# Altium PCB Electronic Load 20251111.PcbDoc (part 4 of 6)
Units mm, origin at the board's own origin, x right, y up, seen from the top; angles counter-clockwise.
Board outline 206 x 70 mm, 6 copper layers (L1, L2, L3, L4, L5, L6), stack 1.609 mm thick; 684 components, 355 nets, 1727 pads, 802 vias.
Unrouted connection lines stored in the file: 10.
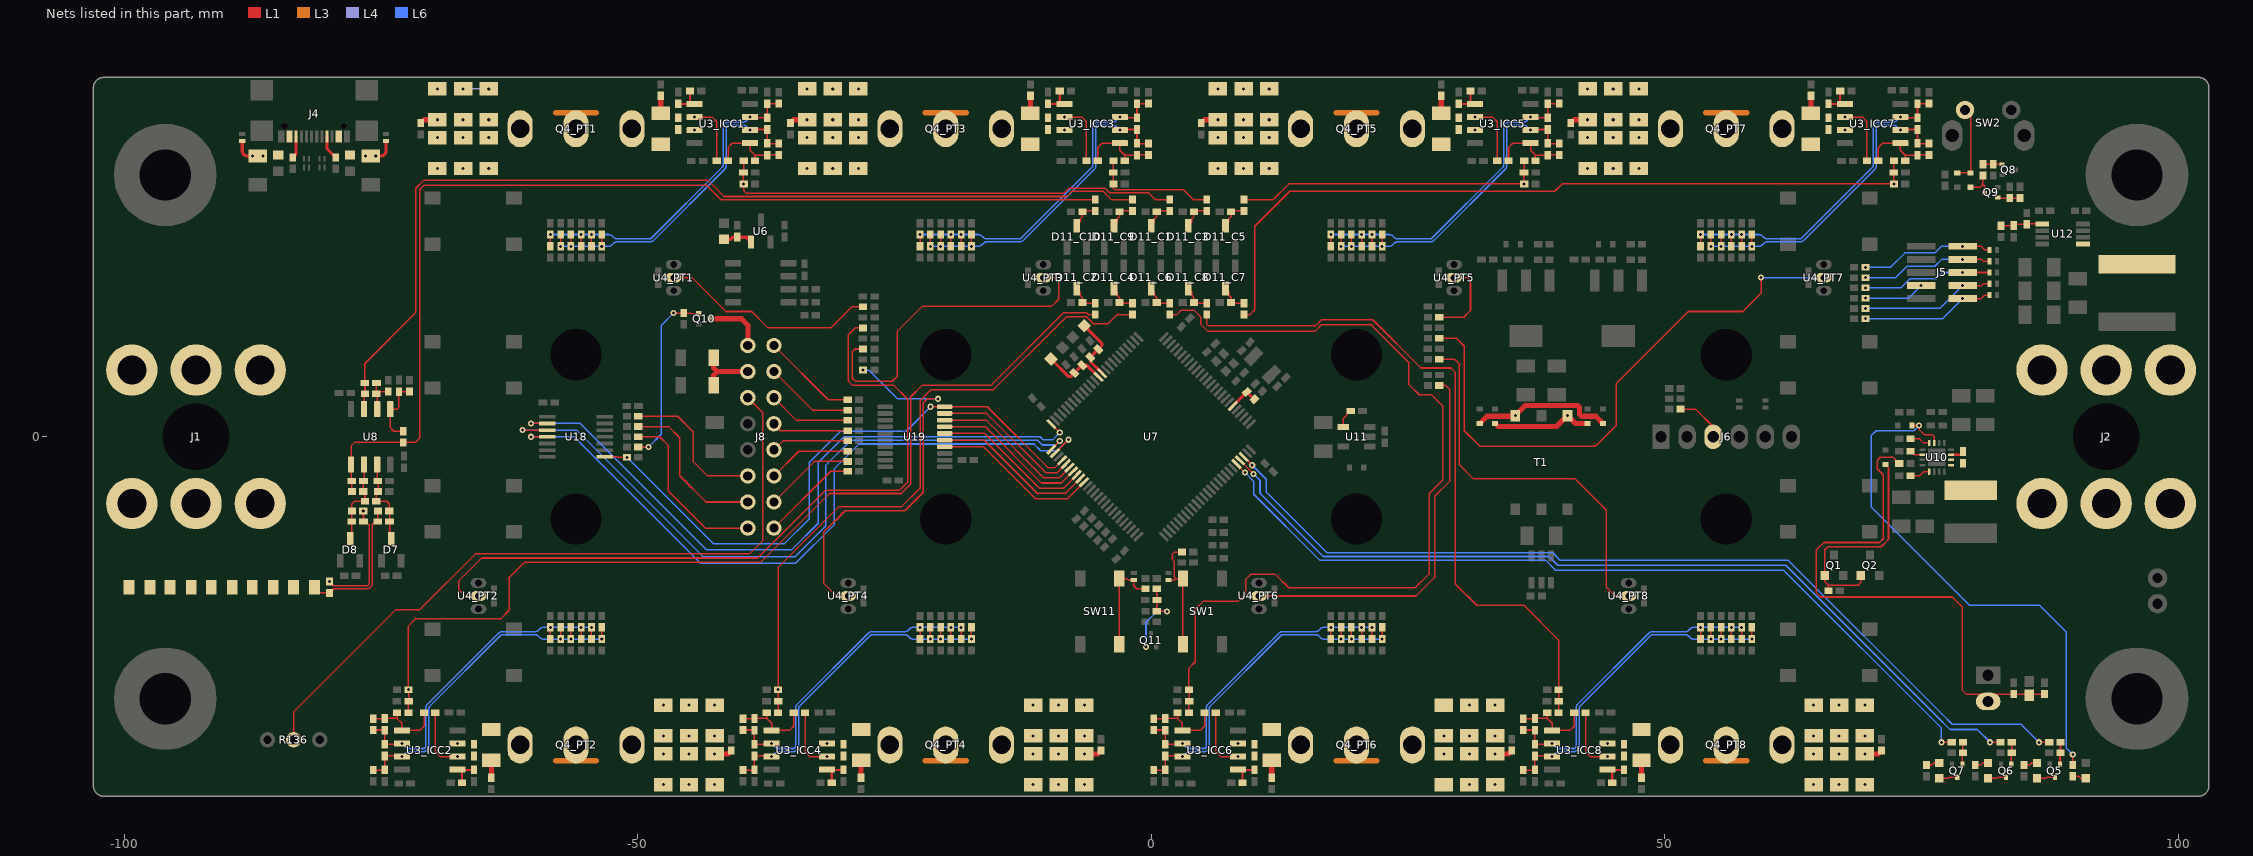
[diagram p8: the nets of this part, all layers, seen from the top]

## Via types
v1: diameter 0.6, hole 0.3, L1 to L6, tented both sides, 802 vias

## Nets (pads, with @x,y where several pads share a name; then routed paths per layer and width w, separated by ;. In a path a pad name is that pad's centre, name@x,y a point inside that pad or via, vN(x,y) a via of type N, cw(c..) or ccw(c..) an arc to the next point about the centre after c; other vN are vias at no path point) (continued)
LCD.DB2: U7.60 U19.4 | length 16.3
  L1 w0.15: U19.4@-20.1,-0.975 -16.332,-0.975 -11.292,-6.015 -8.115,-6.015 U7.60@-6.53,-4.43
LCD.DB3: U7.59 U19.5 | length 15.9
  L1 w0.15: U19.5@-20.1,-0.325 -16.254,-0.325 -11.079,-5.5 -8.328,-5.5 U7.59@-6.894,-4.066
LCD.DB4: U7.58 U19.6 | length 15.6
  L1 w0.15: U19.6@-20.1,0.325 -16.197,0.325 -10.872,-5 -8.536,-5 U7.58@-7.248,-3.712
LCD.DB5: U7.57 U19.7 | length 15.2
  L1 w0.15: U19.7@-20.1,0.975 -16.139,0.975 -10.664,-4.5 -8.743,-4.5 U7.57@-7.601,-3.359
LCD.DB6: U7.56 U19.8 | length 14.9
  L1 w0.15: U19.8@-20.1,1.625 -16.082,1.625 -10.457,-4 -8.95,-4 U7.56@-7.955,-3.005
LCD.DB7: U7.55 U19.9 | length 14.5
  L1 w0.15: U19.9@-20.1,2.275 -16.025,2.275 -10.25,-3.5 -9.157,-3.5 U7.55@-8.308,-2.652
LCD.E: U7.52 U18.4 | length 69.6
  L1 w0.15: v1(-60.4,0) U18.4@-58.8,0 ; U7.52@-9.369,-1.591 v1(-8.061,-0.283)
  L6 w0.15: v1(-60.4,0) -56.2,0 -43.9,-12.3 -34.6,-12.3 -30.878,-8.578 -30.878,-3.141 -28.437,-0.7 -11.4,-0.7 -10.738,-1.362 -9.14,-1.362 v1(-8.061,-0.283)
LCD.OE: R183.2 U7.54 U18.8 U19.10 | length 59.5
  L1 w0.15: U18.8@-53.2,-1.95 -51.957,-1.95 -51.907,-2 v1(-51.05,-2) ; v1(-21.475,2.925) U19.10@-20.1,2.925 -15.968,2.925 -10.043,-3 -9.364,-3 U7.54@-8.662,-2.298
  L6 w0.15: v1(-51.05,-2) -42.65,-10.4 -35.7,-10.4 -33.3,-8 -33.3,-2.5 -30.25,0.55 -23.85,0.55 v1(-21.475,2.925)
LCD.R/W: U7.51 U18.3 | length 69.5
  L1 w0.15: v1(-61.2,0.65) U18.3@-58.8,0.65 ; U7.51@-9.723,-1.237 v1(-8.898,-0.413)
  L6 w0.15: v1(-61.2,0.65) -55.95,0.65 -43.636,-11.664 -34.664,-11.664 -31.7,-8.7 -31.7,-2.8 -29.225,-0.325 -11.075,-0.325 -10.6,-0.8 -9.285,-0.8 v1(-8.898,-0.413)
LCD.RS: U7.50 U18.2 | length 67.8
  L1 w0.15: v1(-60.4,1.3) U18.2@-58.8,1.3 ; U7.50@-9.723,1.237 v1(-8.898,0.413)
  L6 w0.15: v1(-60.4,1.3) -55.6,1.3 -43.321,-10.979 -34.979,-10.979 -32.407,-8.407 -32.407,-2.507 -29.9,0 -10.8,0 -10.5,-0.3 -9.612,-0.3 v1(-8.898,0.413)
LED1: R90.1 U7.98 | length 90.7
  L1 w0.15: U7.98@9.016,-1.945 v1(9.84,-2.769) ; v1(86.45,-29.75) R90.1@87.45,-29.75
  L6 w0.15: v1(9.84,-2.769) 11.2,-4.129 11.2,-5.386 17.114,-11.3 39.1,-11.3 39.8,-12 62,-12 77,-27 78,-28 84.7,-28 v1(86.45,-29.75)
LED2: R89.1 U7.97 | length 86.1
  L1 w0.15: U7.97@8.662,-2.298 v1(9.971,-3.607) ; v1(81.7,-29.75) R89.1@82.7,-29.75
  L6 w0.15: v1(9.971,-3.607) 10.6,-4.236 10.6,-5.493 16.761,-11.654 38.746,-11.654 39.593,-12.5 61.793,-12.5 76.5,-27.207 77.793,-28.5 80.45,-28.5 v1(81.7,-29.75)
LED3: R88.1 U7.96 | length 82.4
  L1 w0.15: U7.96@8.308,-2.652 v1(9.133,-3.476) ; v1(76.95,-29.75) R88.1@77.95,-29.75
  L6 w0.15: v1(9.133,-3.476) 10,-4.343 10,-5.6 16.407,-12.007 38.393,-12.007 39.386,-13 61.586,-13 76.95,-28.364 v1(76.95,-29.75)
LOAD+: J1.1 J1.2 J1.3 J1.4 J1.5 J1.6 Q4_PT1.2 Q4_PT2.2 Q4_PT3.2 Q4_PT4.2 Q4_PT5.2 Q4_PT6.2 Q4_PT7.2 Q4_PT8.2 R96.2 | length 32
  L3 w0.5: -58,-31.55 -54,-31.55 ; -58,31.55 -54,31.55 ; -22,-31.55 -18,-31.55 ; -22,31.55 -18,31.55 ; 18,-31.55 22,-31.55 ; 18,31.55 22,31.55 ; 54,-31.55 58,-31.55 ; 54,31.55 58,31.55
LOAD-: C45.2 J2.1 J2.2 J2.3 J2.4 J2.5 J2.6 NT2_CS1.2 NT2_CS2.2 NT2_CS3.2 NT2_CS4.2 NT2_CS5.2 NT2_CS6.2 NT2_CS7.2 NT2_CS8.2 NT4_CS1.2 NT4_CS2.2 NT4_CS3.2 NT4_CS4.2 NT4_CS5.2 NT4_CS6.2 NT4_CS7.2 NT4_CS8.2 NT6_CS1.2 NT6_CS2.2 NT6_CS3.2 NT6_CS4.2 NT6_CS5.2 NT6_CS6.2 NT6_CS7.2 NT6_CS8.2 NT8_CS1.2 NT8_CS2.2 NT8_CS3.2 NT8_CS4.2 NT8_CS5.2 NT8_CS6.2 NT8_CS7.2 NT8_CS8.2 NT10_CS1.2 NT10_CS2.2 NT10_CS3.2 NT10_CS4.2 NT10_CS5.2 NT10_CS6.2 NT10_CS7.2 NT10_CS8.2 NT12_CS1.2 NT12_CS2.2 NT12_CS3.2 NT12_CS4.2 NT12_CS5.2 NT12_CS6.2 NT12_CS7.2 NT12_CS8.2 R5_CS1.1 R5_CS2.1 R5_CS3.1 R5_CS4.1 R5_CS5.1 R5_CS6.1 R5_CS7.1 R5_CS8.1 R6_CS1.1 R6_CS2.1 R6_CS3.1 R6_CS4.1 R6_CS5.1 R6_CS6.1 R6_CS7.1 R6_CS8.1 R17.1 R64_CS1.1 R64_CS2.1 R64_CS3.1 R64_CS4.1 R64_CS5.1 R64_CS6.1 R64_CS7.1 R64_CS8.1 R67_CS1.1 R67_CS2.1 R67_CS3.1 R67_CS4.1 R67_CS5.1 R67_CS6.1 R67_CS7.1 R67_CS8.1 R70_CS1.1 R70_CS2.1 R70_CS3.1 R70_CS4.1 R70_CS5.1 R70_CS6.1 R70_CS7.1 R70_CS8.1 R73_CS1.1 R73_CS2.1 R73_CS3.1 R73_CS4.1 R73_CS5.1 R73_CS6.1 R73_CS7.1 R73_CS8.1 R101.1 | length 14.1
  L1 w0.15: v1(-80,-14.1) -79.6,-14.5 -76.4,-14.5 ccw(c-76.4,-14.25) -76.15,-14.25 -76.15,-8.569 -76.469,-8.25 C45.2@-76.695,-8.25 -76.695,-7.25 v1(-76.72,-7.225)
  L4 w0.15: v1@-66.975,33.9 v1(-67,33.875) v1(-64.5,33.875)
  other v1: -47.5,-33.875 -45,-33.875 -42.5,-33.875 -11.5,-33.875 -9,-33.875 -6.5,-33.875 31,-33.875 33.5,-33.875 64.5,-33.875 67,-33.875 69.5,-33.875 -47.5,-26.125 -45,-26.125 -42.5,-26.125 -11.5,-26.125 -9,-26.125 -6.5,-26.125 31,-26.125 33.5,-26.125 64.5,-26.125 67,-26.125 69.5,-26.125 -69.5,26.125 -67,26.125 -64.5,26.125 -33.5,26.125 -31,26.125 -28.5,26.125 6.5,26.125 9,26.125 11.5,26.125 42.5,26.125 45,26.125 47.5,26.125 -69.5,33.875 -33.5,33.875 -31,33.875 -28.5,33.875 6.5,33.875 9,33.875 11.5,33.875 42.5,33.875 45,33.875 47.5,33.875
NetC1_ICC1_2: C1_ICC1.2 R1_ICC1.1 R2_ICC1.2 R111_C1.2 | length 45.2
  L1 w0.15: R1_ICC1.1@-39.675,26.875 -39.675,25.775 C1_ICC1.2@-39.7,25.75 -39.7,24.65 v1(-39.675,24.625) -39.675,23.975 -39.4,23.7 -8.5,23.7 -8,24.2 -4.5,24.2 -4.079,23.779 -0.279,23.779 0.4,23.1 R111_C1.2@1.81,23.1
NetC1_ICC2_2: C1_ICC2.2 R1_ICC2.1 R2_ICC2.2 R111_C2.2 | length 94.9
  L1 w0.15: R1_ICC2.1@-72.325,-26.875 -72.325,-25.775 C1_ICC2.2@-72.3,-25.75 -72.3,-24.65 v1(-72.325,-24.625) -72.325,-18.425 -71.6,-17.7 -63.3,-17.7 -62.5,-16.9 -62.5,-13.7 -61,-12.2 -38,-12.2 -31.322,-5.522 -24.322,-5.522 -23.4,-4.6 -23.4,3.9 -22.3,5 -15.6,5 -8.5,12.1 -6.3,12.1 -6.1,11.9 R111_C2.2@-5.43,11.9
NetC1_ICC3_2: C1_ICC3.2 R1_ICC3.1 R2_ICC3.2 R111_C3.2 | length 12.3
  L1 w0.15: R1_ICC3.1@-3.675,26.875 -3.675,25.775 C1_ICC3.2@-3.7,25.75 -3.7,24.65 R2_ICC3.2@-3.675,24.625 -3.675,24.178 -3.557,24.059 3.141,24.059 4.1,23.1 R111_C3.2@5.43,23.1
NetC1_ICC4_2: C1_ICC4.2 R1_ICC4.1 R2_ICC4.2 R111_C4.2 | length 64.4
  L1 w0.15: R1_ICC4.1@-36.325,-26.875 -36.325,-25.775 C1_ICC4.2@-36.3,-25.75 -36.3,-24.65 v1(-36.325,-24.625) -36.325,-12.725 -30.396,-6.796 -24.296,-6.796 -22.5,-5 -22.5,3.5 -21.4,4.6 -15.35,4.6 -8.25,11.7 -6.3,11.7 -5.6,11 -4.2,11 -3.3,11.9 R111_C4.2@-1.81,11.9
NetC1_ICC5_2: C1_ICC5.2 R1_ICC5.1 R2_ICC5.2 R111_C5.2 | length 30.2
  L1 w0.15: R111_C5.2@9.05,23.1 11.9,23.1 13.425,24.625 v1(36.325,24.625) 36.3,24.65 C1_ICC5.2@36.3,25.75 36.325,25.775 R1_ICC5.1@36.325,26.875
NetC1_ICC6_2: C1_ICC6.2 R1_ICC6.1 R2_ICC6.2 R111_C6.2 | length 86.1
  L1 w0.15: R111_C6.2@1.81,11.9 2.507,11.9 2.943,12.336 4.178,12.336 4.813,11.701 4.813,10.987 5.5,10.3 16,10.3 16.6,10.9 21.4,10.9 25.1,7.2 25.1,5.1 26.1,4.1 27.3,4.1 28.4,3 28.4,-4.2 27.1,-5.5 27.1,-13.3 25.7,-14.7 13.4,-14.7 12.1,-13.4 9.7,-13.4 9.2,-13.9 9.2,-15.3 8.5,-16 5.1,-16 4.3,-16.8 4.3,-21.9 3.675,-22.525 R2_ICC6.2@3.675,-24.625 3.7,-24.65 C1_ICC6.2@3.7,-25.75 3.675,-25.775 R1_ICC6.1@3.675,-26.875
NetC1_ICC7_2: C1_ICC7.2 R1_ICC7.1 R2_ICC7.2 R111_C7.2 | length 75.6
  L1 w0.15: R111_C7.2@9.05,11.9 9.63,11.9 10.1,12.37 10.1,20.5 13.5,23.9 39.3,23.9 40.025,24.625 v1(72.325,24.625) 72.3,24.65 C1_ICC7.2@72.3,25.75 72.325,25.775 R1_ICC7.1@72.325,26.875
NetC1_ICC8_2: C1_ICC8.2 R1_ICC8.1 R2_ICC8.2 R111_C8.2 | length 67.6
  L1 w0.15: R111_C8.2@5.43,11.9 5.43,10.97 5.6,10.8 16,10.8 16.6,11.4 21.578,11.4 26.278,6.7 29.2,6.7 29.6,6.3 29.6,-14.3 31.7,-16.4 36.3,-16.4 39.675,-19.775 R2_ICC8.2@39.675,-24.625 39.7,-24.65 C1_ICC8.2@39.7,-25.75 39.675,-25.775 R1_ICC8.1@39.675,-26.875
NetC2_2: C2.2 C77.2 D18.1 D19.1 FB3.1 FB4.1 J4.A4/B9 J4.A9/B4 | length 5.5
  L1 w0.3: D18.1@-88.5,28.8 -88.5,27.85 ccw(c-88,27.85) -88,27.35 C2.2@-87,27.35 ; C77.2@-76,27.35 -75,27.35 ccw(c-75,27.85) -74.5,27.85 D19.1@-74.5,28.8
  other v1: -87.5,27.35 -86.5,27.35 -76.5,27.35 -75.5,27.35
NetC3_2: C3.2 R10.1 R11.2 U8.5 | length 6.7
  L1 w0.15: R11.2@-72.825,0.55 -73.75,0.55 -74.095,0.895 U8.5@-74.095,2.7 -73.4,2.7 -73.25,2.85 C3.2@-73.25,4.375 -73.225,4.4 R10.1@-72.225,4.4
NetC4_1: C4.1 R12.2 R111_C9.2 U8.7 | length 94.9
  L1 w0.15: U8.7@-76.635,2.7 -76.635,4.115 R12.2@-76.55,4.2 -76.55,5.2 C4.1@-76.575,5.225 -76.575,7.125 -71.6,12.1 -71.6,24.2 -70.8,25 -43.2,25 -41.6,23.4 -8.2,23.4 -7.7,23.9 -4.7,23.9 -3.9,23.1 R111_C9.2@-1.81,23.1
NetC4_2: C4.2 R12.1 R13.2 U8.6 | length 3.8
  L1 w0.15: C4.2@-75.425,5.225 -75.45,5.2 R12.1@-75.45,4.2 ; U8.6@-75.365,2.7 -75.365,4.115 R12.1@-75.45,4.2 ; R13.2@-74.275,4.4 -75.25,4.4 R12.1@-75.45,4.2
NetC5_2: C5.2 C6.1 D7.3 R14.1 R15.2 R16.2 U8.3 | length 8.5
  L1 w0.15: U8.3@-75.365,-2.7 -75.365,-4.24 C5.2@-75.305,-4.3 -75.28,-4.325 R14.1@-75.28,-5.325 -75.45,-5.495 R16.2@-75.45,-6.275 -74.425,-6.275 -74.18,-6.52 R15.2@-74.18,-7.225 -74.155,-7.25 C6.1@-74.155,-8.25 -74.155,-9.77 D7.3@-74,-9.925
NetC6_2: C6.2 R15.1 R100.1 R101.2 | length 13.7
  L1 w0.15: R100.1@-81.475,-14.65 -80.925,-15.2 R101.2@-80,-15.2 -79.6,-14.8 -76.4,-14.8 ccw(c-76.4,-14.25) -75.85,-14.25 -75.85,-8.569 -75.531,-8.25 C6.2@-75.305,-8.25 -75.305,-7.25 R15.1@-75.28,-7.225
NetC13_ICC1_1: C13_ICC1.1 R1_ICC1.2 R25_ICC1.1 R30_ICC1.2 U3_ICC1.1 | length 7.9
  L1 w0.15: R30_ICC1.2@-41.2,26.875 -41.2,28.175 -40.78,28.595 U3_ICC1.1@-39.05,28.595 -39.05,27.9 -38.575,27.425 ; R1_ICC1.2@-38.575,26.875 -38.575,27.425 ; R25_ICC1.1@-36.25,27.45 -37.35,27.45 C13_ICC1.1@-37.375,27.425 -38.575,27.425
NetC13_ICC1_2: C13_ICC1.2 C84_ICC1.2 R3_ICC1.1 R7_ICC1.1 R25_ICC1.2 R26_ICC1.1 R27_ICC1.1 R28_ICC1.1 R29_ICC1.1 U3_ICC1.2 | length 33.4
  L1 w0.15: v1(-57.5,18.55) R3_ICC1.1@-57.5,19.7 ; v1(-56.5,18.55) R28_ICC1.1@-56.5,19.7 ; v1(-53.5,18.55) R7_ICC1.1@-53.5,19.7 ; v1(-39.05,29.865) -38.99,29.925 C84_ICC1.2@-37.375,29.925 C13_ICC1.2@-37.375,28.575 -37.35,28.55 R25_ICC1.2@-36.25,28.55
  L6 w0.15: v1(-57.5,18.55) v1(-56.5,18.55) v1(-53.5,18.55) -52.839,18.55 ccw(c-52.839,19.05) -52.486,18.696 -52.354,18.829 cw(c-52,18.475) -52,18.975 -48.808,18.975 ccw(c-48.808,19.475) -48.454,19.121 -41.521,26.054 ccw(c-41.875,26.408) -41.375,26.408 -41.375,30.15 cw(c-41.175,30.15) -41.175,30.35 -39.742,30.35 cw(c-39.742,29.85) -39.389,30.204 v1(-39.05,29.865)
NetC13_ICC2_1: C13_ICC2.1 R1_ICC2.2 R25_ICC2.1 R30_ICC2.2 U3_ICC2.1 | length 7.9
  L1 w0.15: R25_ICC2.1@-75.75,-27.45 -74.65,-27.45 C13_ICC2.1@-74.625,-27.425 -73.425,-27.425 ; R1_ICC2.2@-73.425,-26.875 -73.425,-27.425 ; R30_ICC2.2@-70.8,-26.875 -70.8,-28.175 -71.22,-28.595 U3_ICC2.1@-72.95,-28.595 -72.95,-27.9 -73.425,-27.425
NetC13_ICC2_2: C13_ICC2.2 C84_ICC2.2 R3_ICC2.1 R7_ICC2.1 R25_ICC2.2 R26_ICC2.1 R27_ICC2.1 R28_ICC2.1 R29_ICC2.1 U3_ICC2.2 | length 33.4
  L1 w0.15: R25_ICC2.2@-75.75,-28.55 -74.65,-28.55 C13_ICC2.2@-74.625,-28.575 C84_ICC2.2@-74.625,-29.925 -73.01,-29.925 v1(-72.95,-29.865) ; R7_ICC2.1@-58.5,-19.7 v1(-58.5,-18.55) ; R28_ICC2.1@-55.5,-19.7 v1(-55.5,-18.55) ; R3_ICC2.1@-54.5,-19.7 v1(-54.5,-18.55)
  L6 w0.15: v1(-72.95,-29.865) -72.611,-30.204 ccw(c-72.258,-29.85) -72.258,-30.35 -70.825,-30.35 ccw(c-70.825,-30.15) -70.625,-30.15 -70.625,-26.408 cw(c-70.125,-26.408) -70.479,-26.054 -63.546,-19.121 cw(c-63.192,-19.475) -63.192,-18.975 -60,-18.975 ccw(c-60,-18.475) -59.646,-18.829 -59.514,-18.696 cw(c-59.161,-19.05) -59.161,-18.55 v1(-58.5,-18.55) v1(-55.5,-18.55) v1(-54.5,-18.55)
NetC13_ICC3_1: C13_ICC3.1 R1_ICC3.2 R25_ICC3.1 R30_ICC3.2 U3_ICC3.1 | length 7.9
  L1 w0.15: R30_ICC3.2@-5.2,26.875 -5.2,28.175 -4.78,28.595 U3_ICC3.1@-3.05,28.595 -3.05,27.9 -2.575,27.425 ; R1_ICC3.2@-2.575,26.875 -2.575,27.425 ; R25_ICC3.1@-0.25,27.45 -1.35,27.45 C13_ICC3.1@-1.375,27.425 -2.575,27.425
NetC13_ICC3_2: C13_ICC3.2 C84_ICC3.2 R3_ICC3.1 R7_ICC3.1 R25_ICC3.2 R26_ICC3.1 R27_ICC3.1 R28_ICC3.1 R29_ICC3.1 U3_ICC3.2 | length 33.4
  L1 w0.15: v1(-21.5,18.55) R3_ICC3.1@-21.5,19.7 ; v1(-20.5,18.55) R28_ICC3.1@-20.5,19.7 ; v1(-17.5,18.55) R7_ICC3.1@-17.5,19.7 ; v1(-3.05,29.865) -2.99,29.925 C84_ICC3.2@-1.375,29.925 C13_ICC3.2@-1.375,28.575 -1.35,28.55 R25_ICC3.2@-0.25,28.55
  L6 w0.15: v1(-21.5,18.55) v1(-20.5,18.55) v1(-17.5,18.55) -16.839,18.55 ccw(c-16.839,19.05) -16.486,18.696 -16.354,18.829 cw(c-16,18.475) -16,18.975 -12.808,18.975 ccw(c-12.808,19.475) -12.454,19.121 -5.521,26.054 ccw(c-5.875,26.408) -5.375,26.408 -5.375,30.15 cw(c-5.175,30.15) -5.175,30.35 -3.742,30.35 cw(c-3.742,29.85) -3.389,30.204 v1(-3.05,29.865)
NetC13_ICC4_1: C13_ICC4.1 R1_ICC4.2 R25_ICC4.1 R30_ICC4.2 U3_ICC4.1 | length 7.9
  L1 w0.15: R25_ICC4.1@-39.75,-27.45 -38.65,-27.45 C13_ICC4.1@-38.625,-27.425 -37.425,-27.425 ; R1_ICC4.2@-37.425,-26.875 -37.425,-27.425 ; R30_ICC4.2@-34.8,-26.875 -34.8,-28.175 -35.22,-28.595 U3_ICC4.1@-36.95,-28.595 -36.95,-27.9 -37.425,-27.425
NetC13_ICC4_2: C13_ICC4.2 C84_ICC4.2 R3_ICC4.1 R7_ICC4.1 R25_ICC4.2 R26_ICC4.1 R27_ICC4.1 R28_ICC4.1 R29_ICC4.1 U3_ICC4.2 | length 33.4
  L1 w0.15: R25_ICC4.2@-39.75,-28.55 -38.65,-28.55 C13_ICC4.2@-38.625,-28.575 C84_ICC4.2@-38.625,-29.925 -37.01,-29.925 v1(-36.95,-29.865) ; R7_ICC4.1@-22.5,-19.7 v1(-22.5,-18.55) ; R28_ICC4.1@-19.5,-19.7 v1(-19.5,-18.55) ; R3_ICC4.1@-18.5,-19.7 v1(-18.5,-18.55)
  L6 w0.15: v1(-36.95,-29.865) -36.611,-30.204 ccw(c-36.258,-29.85) -36.258,-30.35 -34.825,-30.35 ccw(c-34.825,-30.15) -34.625,-30.15 -34.625,-26.408 cw(c-34.125,-26.408) -34.479,-26.054 -27.546,-19.121 cw(c-27.192,-19.475) -27.192,-18.975 -24,-18.975 ccw(c-24,-18.475) -23.646,-18.829 -23.514,-18.696 cw(c-23.161,-19.05) -23.161,-18.55 v1(-22.5,-18.55) v1(-19.5,-18.55) v1(-18.5,-18.55)
NetC13_ICC5_1: C13_ICC5.1 R1_ICC5.2 R25_ICC5.1 R30_ICC5.2 U3_ICC5.1 | length 7.9
  L1 w0.15: R30_ICC5.2@34.8,26.875 34.8,28.175 35.22,28.595 U3_ICC5.1@36.95,28.595 36.95,27.9 37.425,27.425 ; R1_ICC5.2@37.425,26.875 37.425,27.425 ; R25_ICC5.1@39.75,27.45 38.65,27.45 C13_ICC5.1@38.625,27.425 37.425,27.425
NetC13_ICC5_2: C13_ICC5.2 C84_ICC5.2 R3_ICC5.1 R7_ICC5.1 R25_ICC5.2 R26_ICC5.1 R27_ICC5.1 R28_ICC5.1 R29_ICC5.1 U3_ICC5.2 | length 33.4
  L1 w0.15: v1(18.5,18.55) R3_ICC5.1@18.5,19.7 ; v1(19.5,18.55) R28_ICC5.1@19.5,19.7 ; v1(22.5,18.55) R7_ICC5.1@22.5,19.7 ; v1(36.95,29.865) 37.01,29.925 C84_ICC5.2@38.625,29.925 C13_ICC5.2@38.625,28.575 38.65,28.55 R25_ICC5.2@39.75,28.55
  L6 w0.15: v1(18.5,18.55) v1(19.5,18.55) v1(22.5,18.55) 23.161,18.55 ccw(c23.161,19.05) 23.514,18.696 23.646,18.829 cw(c24,18.475) 24,18.975 27.192,18.975 ccw(c27.192,19.475) 27.546,19.121 34.479,26.054 ccw(c34.125,26.408) 34.625,26.408 34.625,30.15 cw(c34.825,30.15) 34.825,30.35 36.258,30.35 cw(c36.258,29.85) 36.611,30.204 v1(36.95,29.865)
NetC13_ICC6_1: C13_ICC6.1 R1_ICC6.2 R25_ICC6.1 R30_ICC6.2 U3_ICC6.1 | length 7.9
  L1 w0.15: R25_ICC6.1@0.25,-27.45 1.35,-27.45 C13_ICC6.1@1.375,-27.425 2.575,-27.425 ; R1_ICC6.2@2.575,-26.875 2.575,-27.425 ; R30_ICC6.2@5.2,-26.875 5.2,-28.175 4.78,-28.595 U3_ICC6.1@3.05,-28.595 3.05,-27.9 2.575,-27.425
NetC13_ICC6_2: C13_ICC6.2 C84_ICC6.2 R3_ICC6.1 R7_ICC6.1 R25_ICC6.2 R26_ICC6.1 R27_ICC6.1 R28_ICC6.1 R29_ICC6.1 U3_ICC6.2 | length 33.4
  L1 w0.15: R25_ICC6.2@0.25,-28.55 1.35,-28.55 C13_ICC6.2@1.375,-28.575 C84_ICC6.2@1.375,-29.925 2.99,-29.925 v1(3.05,-29.865) ; R7_ICC6.1@17.5,-19.7 v1(17.5,-18.55) ; R28_ICC6.1@20.5,-19.7 v1(20.5,-18.55) ; R3_ICC6.1@21.5,-19.7 v1(21.5,-18.55)
  L6 w0.15: v1(3.05,-29.865) 3.389,-30.204 ccw(c3.742,-29.85) 3.742,-30.35 5.175,-30.35 ccw(c5.175,-30.15) 5.375,-30.15 5.375,-26.408 cw(c5.875,-26.408) 5.521,-26.054 12.454,-19.121 cw(c12.808,-19.475) 12.808,-18.975 16,-18.975 ccw(c16,-18.475) 16.354,-18.829 16.486,-18.696 cw(c16.839,-19.05) 16.839,-18.55 v1(17.5,-18.55) v1(20.5,-18.55) v1(21.5,-18.55)
NetC13_ICC7_1: C13_ICC7.1 R1_ICC7.2 R25_ICC7.1 R30_ICC7.2 U3_ICC7.1 | length 7.9
  L1 w0.15: R30_ICC7.2@70.8,26.875 70.8,28.175 71.22,28.595 U3_ICC7.1@72.95,28.595 72.95,27.9 73.425,27.425 ; R1_ICC7.2@73.425,26.875 73.425,27.425 ; R25_ICC7.1@75.75,27.45 74.65,27.45 C13_ICC7.1@74.625,27.425 73.425,27.425
NetC13_ICC7_2: C13_ICC7.2 C84_ICC7.2 R3_ICC7.1 R7_ICC7.1 R25_ICC7.2 R26_ICC7.1 R27_ICC7.1 R28_ICC7.1 R29_ICC7.1 U3_ICC7.2 | length 33.4
  L1 w0.15: v1(54.5,18.55) R3_ICC7.1@54.5,19.7 ; v1(55.5,18.55) R28_ICC7.1@55.5,19.7 ; v1(58.5,18.55) R7_ICC7.1@58.5,19.7 ; v1(72.95,29.865) 73.01,29.925 C84_ICC7.2@74.625,29.925 C13_ICC7.2@74.625,28.575 74.65,28.55 R25_ICC7.2@75.75,28.55
  L6 w0.15: v1(54.5,18.55) v1(55.5,18.55) v1(58.5,18.55) 59.161,18.55 ccw(c59.161,19.05) 59.514,18.696 59.646,18.829 cw(c60,18.475) 60,18.975 63.192,18.975 ccw(c63.192,19.475) 63.546,19.121 70.479,26.054 ccw(c70.125,26.408) 70.625,26.408 70.625,30.15 cw(c70.825,30.15) 70.825,30.35 72.258,30.35 cw(c72.258,29.85) 72.611,30.204 v1(72.95,29.865)
NetC13_ICC8_1: C13_ICC8.1 R1_ICC8.2 R25_ICC8.1 R30_ICC8.2 U3_ICC8.1 | length 7.9
  L1 w0.15: R25_ICC8.1@36.25,-27.45 37.35,-27.45 C13_ICC8.1@37.375,-27.425 38.575,-27.425 ; R1_ICC8.2@38.575,-26.875 38.575,-27.425 ; R30_ICC8.2@41.2,-26.875 41.2,-28.175 40.78,-28.595 U3_ICC8.1@39.05,-28.595 39.05,-27.9 38.575,-27.425
NetC13_ICC8_2: C13_ICC8.2 C84_ICC8.2 R3_ICC8.1 R7_ICC8.1 R25_ICC8.2 R26_ICC8.1 R27_ICC8.1 R28_ICC8.1 R29_ICC8.1 U3_ICC8.2 | length 33.4
  L1 w0.15: R25_ICC8.2@36.25,-28.55 37.35,-28.55 C13_ICC8.2@37.375,-28.575 C84_ICC8.2@37.375,-29.925 38.99,-29.925 v1(39.05,-29.865) ; R7_ICC8.1@53.5,-19.7 v1(53.5,-18.55) ; R28_ICC8.1@56.5,-19.7 v1(56.5,-18.55) ; R3_ICC8.1@57.5,-19.7 v1(57.5,-18.55)
  L6 w0.15: v1(39.05,-29.865) 39.389,-30.204 ccw(c39.742,-29.85) 39.742,-30.35 41.175,-30.35 ccw(c41.175,-30.15) 41.375,-30.15 41.375,-26.408 cw(c41.875,-26.408) 41.521,-26.054 48.454,-19.121 cw(c48.808,-19.475) 48.808,-18.975 52,-18.975 ccw(c52,-18.475) 52.354,-18.829 52.486,-18.696 cw(c52.839,-19.05) 52.839,-18.55 v1(53.5,-18.55) v1(56.5,-18.55) v1(57.5,-18.55)
NetC14_ICC1_1: C14_ICC1.1 R30_ICC1.1 U3_ICC1.6 | length 6.1
  L1 w0.15: v1(-44.45,31.135) -42.76,31.135 -42.3,30.675 R30_ICC1.1@-42.3,26.875
NetC14_ICC1_2: C14_ICC1.2 R81_PT1.1 U3_ICC1.7
  other v1: -44.45,29.865
NetC14_ICC2_1: C14_ICC2.1 R30_ICC2.1 U3_ICC2.6 | length 6.1
  L1 w0.15: R30_ICC2.1@-69.7,-26.875 -69.7,-30.675 -69.24,-31.135 v1(-67.55,-31.135)
NetC14_ICC2_2: C14_ICC2.2 R81_PT2.1 U3_ICC2.7
  other v1: -67.55,-29.865
NetC14_ICC3_1: C14_ICC3.1 R30_ICC3.1 U3_ICC3.6 | length 6.1
  L1 w0.15: v1(-8.45,31.135) -6.76,31.135 -6.3,30.675 R30_ICC3.1@-6.3,26.875
NetC14_ICC3_2: C14_ICC3.2 R81_PT3.1 U3_ICC3.7
  other v1: -8.45,29.865
NetC14_ICC4_1: C14_ICC4.1 R30_ICC4.1 U3_ICC4.6 | length 6.1
  L1 w0.15: R30_ICC4.1@-33.7,-26.875 -33.7,-30.675 -33.24,-31.135 v1(-31.55,-31.135)
NetC14_ICC4_2: C14_ICC4.2 R81_PT4.1 U3_ICC4.7
  other v1: -31.55,-29.865
NetC14_ICC5_1: C14_ICC5.1 R30_ICC5.1 U3_ICC5.6 | length 6.1
  L1 w0.15: v1(31.55,31.135) 33.24,31.135 33.7,30.675 R30_ICC5.1@33.7,26.875
NetC14_ICC5_2: C14_ICC5.2 R81_PT5.1 U3_ICC5.7
  other v1: 31.55,29.865
NetC14_ICC6_1: C14_ICC6.1 R30_ICC6.1 U3_ICC6.6 | length 6.1
  L1 w0.15: R30_ICC6.1@6.3,-26.875 6.3,-30.675 6.76,-31.135 v1(8.45,-31.135)
NetC14_ICC6_2: C14_ICC6.2 R81_PT6.1 U3_ICC6.7
  other v1: 8.45,-29.865
NetC14_ICC7_1: C14_ICC7.1 R30_ICC7.1 U3_ICC7.6 | length 6.1
  L1 w0.15: v1(67.55,31.135) 69.24,31.135 69.7,30.675 R30_ICC7.1@69.7,26.875
NetC14_ICC7_2: C14_ICC7.2 R81_PT7.1 U3_ICC7.7
  other v1: 67.55,29.865
NetC14_ICC8_1: C14_ICC8.1 R30_ICC8.1 U3_ICC8.6 | length 6.1
  L1 w0.15: R30_ICC8.1@42.3,-26.875 42.3,-30.675 42.76,-31.135 v1(44.45,-31.135)
NetC14_ICC8_2: C14_ICC8.2 R81_PT8.1 U3_ICC8.7